# Altium PCB top_INA2180.PcbDoc (part 2 of 5)
Units mil, origin at the board's own origin, x right, y up, seen from the top; angles counter-clockwise.
Board outline 10480 x 5830 mil, 2 copper layers (Top Layer, Bottom Layer); 635 components, 633 nets, 1722 pads, 292 vias.
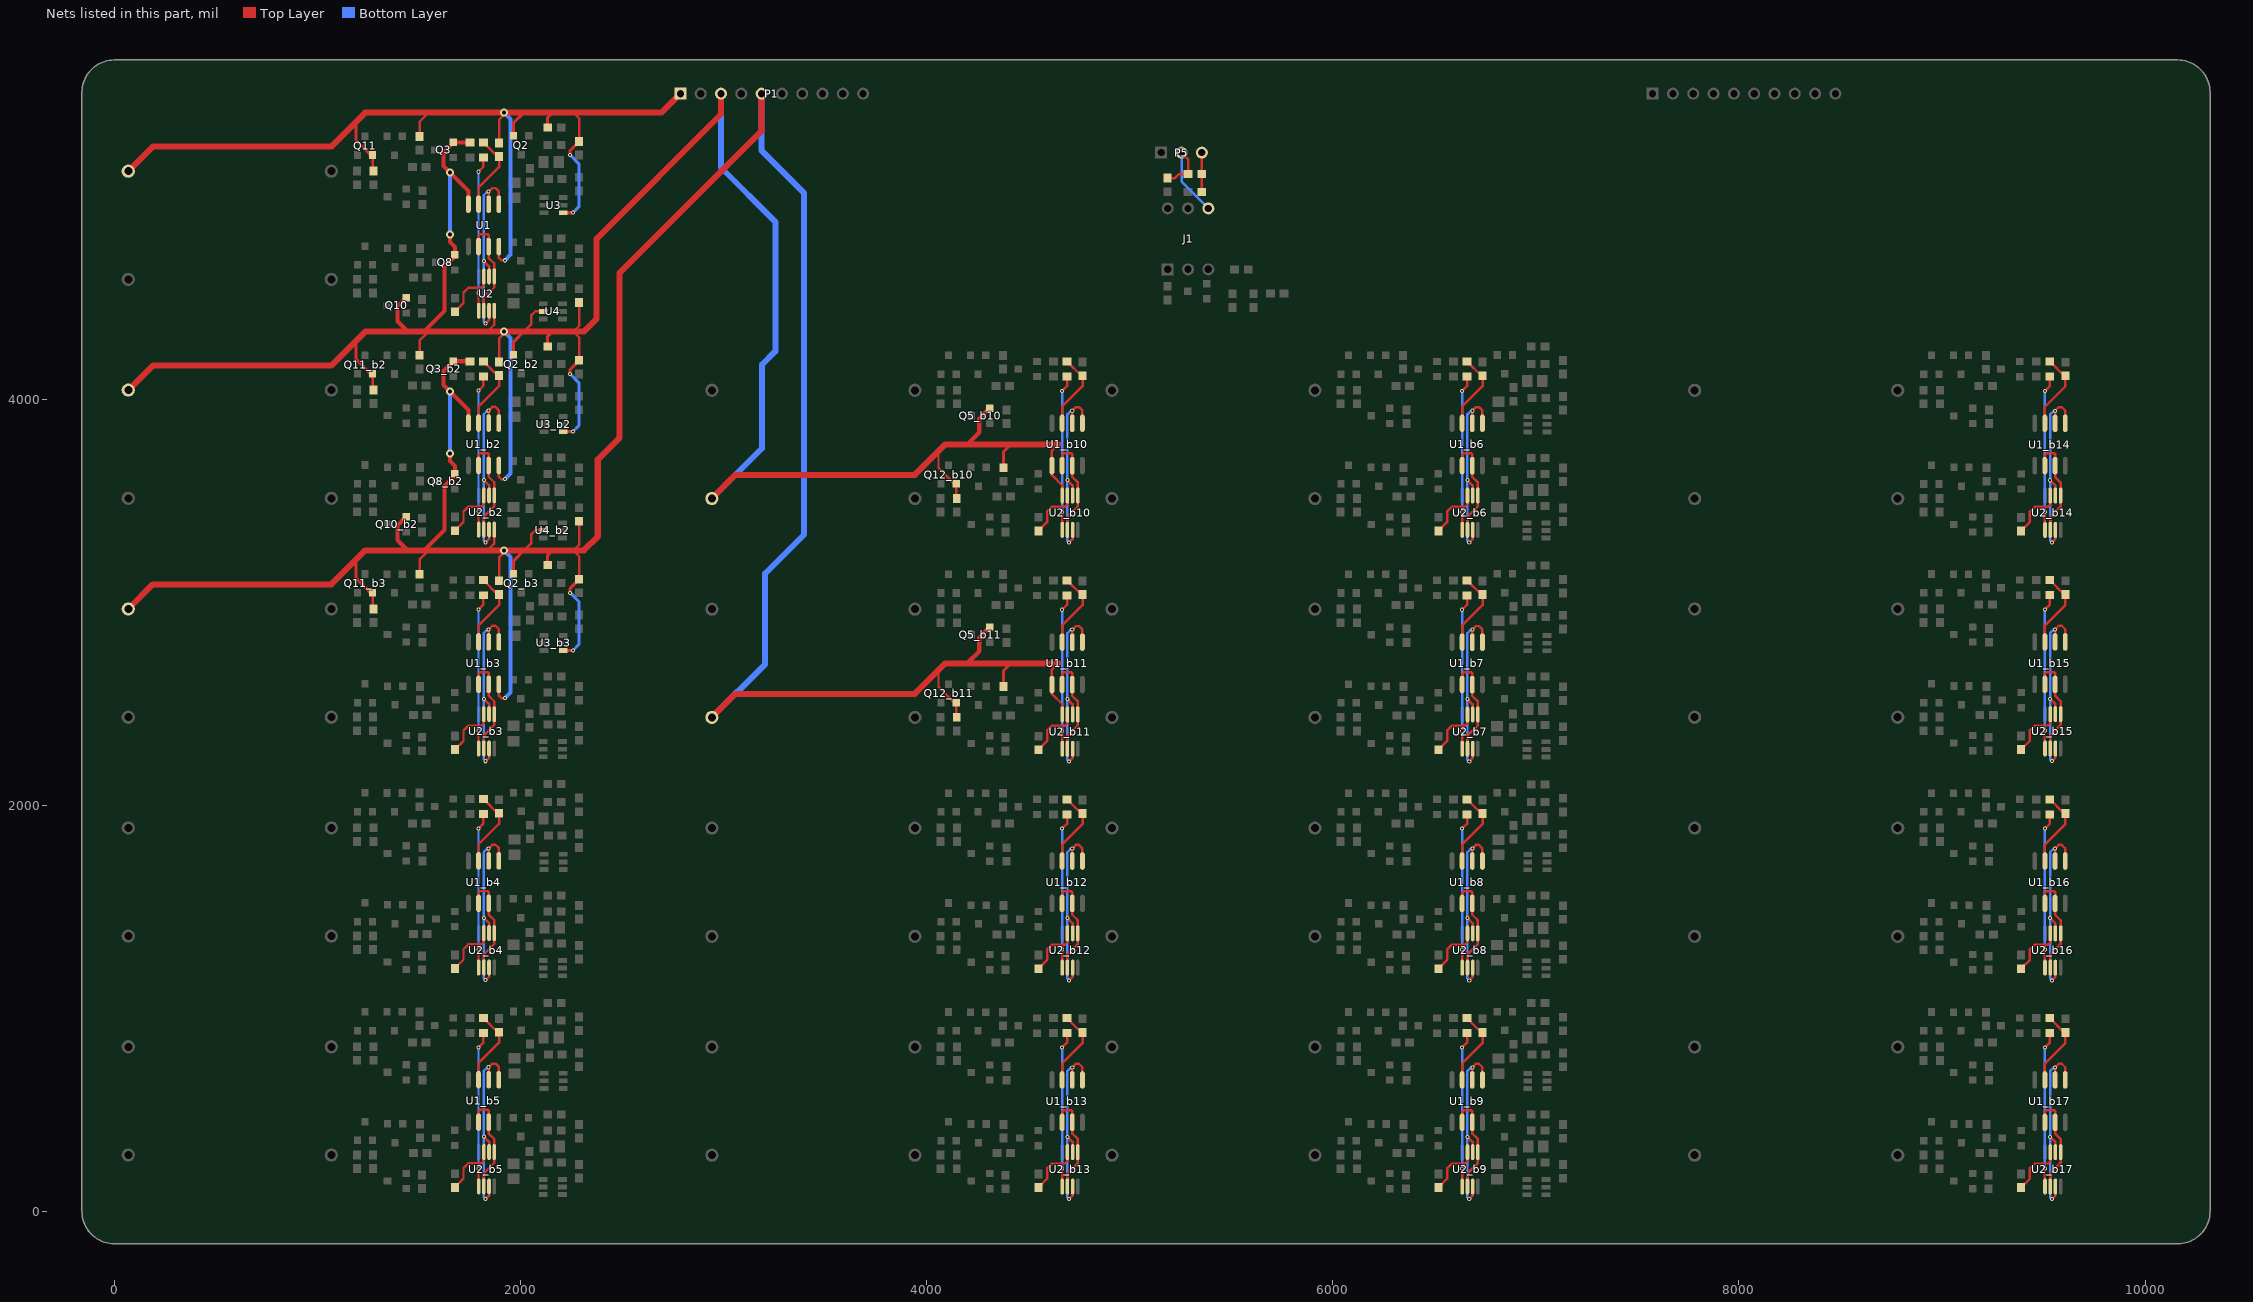
[diagram p2: the nets of this part, all layers, seen from the top]

## Components (designator, comment, footprint, x,y, rotation, side; value= is the part's Value field where it differs from the comment) (continued)
U1_b10 "LM358" SOIC-8 4691.86,3776.61 r270 top (schematic designator U1)
U1_b11 "LM358" SOIC-8 4691.86,2698.61 r270 top (schematic designator U1)
U1_b12 "LM358" SOIC-8 4691.86,1620.61 r270 top (schematic designator U1)
U1_b13 "LM358" SOIC-8 4691.86,542.61 r270 top (schematic designator U1)
U1_b14 "LM358" SOIC-8 9531.86,3776.35 r270 top (schematic designator U1)
U1_b15 "LM358" SOIC-8 9531.86,2699.61 r270 top (schematic designator U1)
U1_b16 "LM358" SOIC-8 9531.86,1620.61 r270 top (schematic designator U1)
U1_b17 "LM358" SOIC-8 9531.86,542.61 r270 top (schematic designator U1)
U2 "INA2180" MSOP-8 1831.86,4519.61 r90 top
U2_b2 "INA2180" MSOP-8 1831.87,3441.54 r90 top (schematic designator U2)
U2_b3 "INA2180" MSOP-8 1831.87,2363.54 r90 top (schematic designator U2)
U2_b4 "INA2180" MSOP-8 1831.87,1285.54 r90 top (schematic designator U2)
U2_b5 "INA2180" MSOP-8 1831.87,207.54 r90 top (schematic designator U2)
U2_b6 "INA2180" MSOP-8 6675.86,3440.61 r90 top (schematic designator U2)
U2_b7 "INA2180" MSOP-8 6675.86,2362.61 r90 top (schematic designator U2)
U2_b8 "INA2180" MSOP-8 6675.86,1284.61 r90 top (schematic designator U2)
U2_b9 "INA2180" MSOP-8 6675.86,206.61 r90 top (schematic designator U2)
U2_b10 "INA2180" MSOP-8 4705.86,3440.61 r90 top (schematic designator U2)
U2_b11 "INA2180" MSOP-8 4705.86,2362.61 r90 top (schematic designator U2)
U2_b12 "INA2180" MSOP-8 4705.86,1284.61 r90 top (schematic designator U2)
U2_b13 "INA2180" MSOP-8 4705.86,206.61 r90 top (schematic designator U2)
U2_b14 "INA2180" MSOP-8 9545.86,3440.35 r90 top (schematic designator U2)
U2_b15 "INA2180" MSOP-8 9545.86,2363.61 r90 top (schematic designator U2)
U2_b16 "INA2180" MSOP-8 9545.86,1284.61 r90 top (schematic designator U2)
U2_b17 "INA2180" MSOP-8 9545.86,206.61 r90 top (schematic designator U2)
U3 "CN958" SOT23-6 2163,4955 r0 top
U3_b2 "CN958" SOT23-6 2163.01,3876.93 r0 top (schematic designator U3)
U3_b3 "CN958" SOT23-6 2163.01,2798.93 r0 top (schematic designator U3)
U3_b4 "CN958" SOT23-6 2163.01,1720.93 r0 top (schematic designator U3)
U3_b5 "CN958" SOT23-6 2163.01,642.93 r0 top (schematic designator U3)
U3_b6 "CN958" SOT23-6 7007,3876 r0 top (schematic designator U3)
U3_b7 "CN958" SOT23-6 7007,2798 r0 top (schematic designator U3)
U3_b8 "CN958" SOT23-6 7007,1720 r0 top (schematic designator U3)
U3_b9 "CN958" SOT23-6 7007,642 r0 top (schematic designator U3)
U4 "CN958" SOT23-6 2159,4432 r0 top
U4_b2 "CN958" SOT23-6 2159.01,3353.93 r0 top (schematic designator U4)
U4_b3 "CN958" SOT23-6 2159.01,2275.93 r0 top (schematic designator U4)
U4_b4 "CN958" SOT23-6 2159.01,1197.93 r0 top (schematic designator U4)
U4_b5 "CN958" SOT23-6 2159.01,119.93 r0 top (schematic designator U4)
U4_b6 "CN958" SOT23-6 7003,3353 r0 top (schematic designator U4)
U4_b7 "CN958" SOT23-6 7003,2275 r0 top (schematic designator U4)
U4_b8 "CN958" SOT23-6 7003,1197 r0 top (schematic designator U4)
U4_b9 "CN958" SOT23-6 7003,119 r0 top (schematic designator U4)

## Footprints (in the part's own frame and the unit in brackets; to place one, negate y for a bottom-side part, rotate by r counter-clockwise, add the part's x,y. Pads: shape width x height; smd on the part's side, far side on the other; paste and mask are expansions set on the pad)
0603-1 [mm] "0603带丝印"
  rect 1.1x1 smd: 1(-0.85,0) 2(0.85,0)
  silkscreen extent -1.65,-0.76 1.65,0.76, body extent -0.8,-0.4 0.8,0.4, height 0.3
AXIAL-1.0 [mm] "Adjustable Magnetic-Core Inductor; 2 Leads"
  round 1.65 hole 1: 1(-12.7,0) 2(12.7,0)
  silkscreen extent -10.79,-3.81 10.79,3.81
C-0603 [mm] "贴片电容"
  rect 1.1x1 smd: 1(-0.85,0) 2(0.85,0)
  silkscreen extent -1.73,-0.76 1.73,0.76, body extent -0.8,-0.4 0.8,0.4, height 0.3
DIP-6 [mm]
  rect 1.5x1.5 hole 0.9: 1(-3.81,2.54)
  round 1.5 hole 0.9: 2(-3.81,0) 3(-3.81,-2.54) 4(3.81,-2.54) 5(3.81,0) 6(3.81,2.54)
  silkscreen extent -3.93,-3.94 2.65,3.96, body extent -3.6,-3.94 3.6,3.88, height 5.08
HDR3X1-2.54 [mm] "2.54单排针排座"
  rect 1.5x1.5 hole 0.9: 1(0,0)
  round 1.5 hole 0.9: 2(2.54,0) 3(5.08,0)
  silkscreen extent -1.27,-1.27 6.35,1.27, body extent -1.27,-1.27 6.35,1.27, height 8.54
HDR10X1-2.54 [mm]
  rect 1.5x1.5 hole 0.9: 1(-12.7,0)
  round 1.5 hole 0.9: 2(-10.16,0) 3(-7.62,0) 4(-5.08,0) 5(-2.54,0) 6(0,0) 7(2.54,0) 8(5.08,0) 9(7.62,0) 10(10.16,0)
  silkscreen extent -13.97,-1.27 11.43,1.27
LED-0805 [mm] "贴片LED"
  rect 1.3x1.5 smd: 1(-0.95,0) 2(0.95,0)
  silkscreen extent 1.91,-0.63 1.91,0.64
MSOP-8 [mm] "TSOP"
  oval 2x0.45 smd: 1(-2.15,0.975) 2(-2.15,0.325) 3(-2.15,-0.325) 4(-2.15,-0.975) 5(2.15,-0.975) 6(2.15,-0.325) 7(2.15,0.325) 8(2.15,0.975)
  silkscreen extent -2.27,-1.55 0.75,1.87, body extent -2.5,-1.5 2.5,1.5, height 0.85
SOIC-8 [mm]
  oval 2.2x0.6 smd: 1(-2.654,1.905) 2(-2.654,0.635) 3(-2.654,-0.635) 4(-2.654,-1.905) 5(2.654,-1.905) 6(2.654,-0.635) 7(2.654,0.635) 8(2.654,1.905)
  silkscreen extent -2.52,-2.5 0.9,2.88, body extent -3,-2.45 3,2.45, height 1.7
SOT23-3 [mm]
  rect 0.9x0.95 smd: 1(-0.95,-1.175) 2(0.95,-1.175) 3(0,1.175)
  silkscreen extent -2.03,-1.14 1.3,1.18, body extent -1.45,-1.4 1.45,1.4, height 1.2
SOT23-6 [mm] "Max4173"
  rect 1.1x0.6 smd: 1(-1.2,0.95) 2(-1.2,0) 3(-1.2,-0.95) 4(1.2,-0.95) 5(1.2,0) 6(1.2,0.95)
  silkscreen extent -1.32,-1.5 0.25,1.92, body extent -1.19,-1.4 1.23,1.4, height 1.08

## Part data
C1: "贴片瓷片电容"
D1 D1_b2 D1_b3 D1_b4 D1_b5 D1_b6 D1_b7 D1_b8 D1_b9 D2 D2_b2 D2_b3 D2_b4 D2_b5 D2_b6 D2_b7 D2_b8 D2_b9 D3 D3_b2 D3_b3 D3_b4 D3_b5 D3_b6 D3_b7 D3_b8 D3_b9 D4 D4_b2 D4_b3 D4_b4 D4_b5 D4_b6 D4_b7 D4_b8 D4_b9: library part Diode-R, "整流二极管"
J1: "光电耦合器"
P1 P2 P5: "接插件"
Q1 Q1_b2 Q1_b3 Q1_b4 Q1_b5 Q1_b6 Q1_b7 Q1_b8 Q1_b9 Q1_b10 Q1_b11 Q1_b12 Q1_b13 Q1_b14 Q1_b15 Q1_b16 Q1_b17 Q2 Q2_b2 Q2_b3 Q2_b4 Q2_b5 Q2_b6 Q2_b7 Q2_b8 Q2_b9 Q6 Q6_b2 Q6_b3 Q6_b4 Q6_b5 Q6_b6 Q6_b7 Q6_b8 Q6_b9 Q6_b10 Q6_b11 Q6_b12 Q6_b13 Q6_b14 Q6_b15 Q6_b16 Q6_b17 Q7 Q7_b2 Q7_b3 Q7_b4 Q7_b5 Q7_b6 Q7_b7 Q7_b8 Q7_b9 Q11 Q11_b2 Q11_b3 Q11_b4 Q11_b5 Q11_b6 Q11_b7 Q11_b8 Q11_b9 Q11_b10 Q11_b11 Q11_b12 Q11_b13 Q11_b14 Q11_b15 Q11_b16 Q11_b17 Q12 Q12_b2 Q12_b3 Q12_b4 Q12_b5 Q12_b6 Q12_b7 Q12_b8 Q12_b9 Q12_b10 Q12_b11 Q12_b12 Q12_b13 Q12_b14 Q12_b15 Q12_b16 Q12_b17: library part PNP1, "贴片三极管"
Q3 Q3_b2 Q3_b3 Q3_b4 Q3_b5 Q3_b6 Q3_b7 Q3_b8 Q3_b9 Q3_b10 Q3_b11 Q3_b12 Q3_b13 Q3_b14 Q3_b15 Q3_b16 Q3_b17 Q8 Q8_b2 Q8_b3 Q8_b4 Q8_b5 Q8_b6 Q8_b7 Q8_b8 Q8_b9 Q8_b10 Q8_b11 Q8_b12 Q8_b13 Q8_b14 Q8_b15 Q8_b16 Q8_b17 Q13: library part NPN1, "贴片三极管"
Q5 Q5_b2 Q5_b3 Q5_b4 Q5_b5 Q5_b6 Q5_b7 Q5_b8 Q5_b9 Q5_b10 Q5_b11 Q5_b12 Q5_b13 Q5_b14 Q5_b15 Q5_b16 Q5_b17 Q10 Q10_b2 Q10_b3 Q10_b4 Q10_b5 Q10_b6 Q10_b7 Q10_b8 Q10_b9 Q10_b10 Q10_b11 Q10_b12 Q10_b13 Q10_b14 Q10_b15 Q10_b16 Q10_b17: library part MOSFET-N1, "MOSFET"
R1 R1_b2 R1_b3 R1_b4 R1_b5 R1_b6 R1_b7 R1_b8 R1_b9 R1_b10 R1_b11 R1_b12 R1_b13 R1_b14 R1_b15 R1_b16 R1_b17 R6 R6_b2 R6_b3 R6_b4 R6_b5 R6_b6 R6_b7 R6_b8 R6_b9 R6_b10 R6_b11 R6_b12 R6_b13 R6_b14 R6_b15 R6_b16 R6_b17 R7 R7_b2 R7_b3 R7_b4 R7_b5 R7_b6 R7_b7 R7_b8 R7_b9 R8 R8_b2 R8_b3 R8_b4 R8_b5 R8_b6 R8_b7 R8_b8 R8_b9 R9 R9_b2 R9_b3 R9_b4 R9_b5 R9_b6 R9_b7 R9_b8 R9_b9 R9_b10 R9_b11 R9_b12 R9_b13 R9_b14 R9_b15 R9_b16 R9_b17 R10 R10_b2 R10_b3 R10_b4 R10_b5 R10_b6 R10_b7 R10_b8 R10_b9 R10_b10 R10_b11 R10_b12 R10_b13 R10_b14 R10_b15 R10_b16 R10_b17 R11 R11_b2 R11_b3 R11_b4 R11_b5 R11_b6 R11_b7 R11_b8 R11_b9 R11_b10 R11_b11 R11_b12 R11_b13 R11_b14 R11_b15 R11_b16 R11_b17 R12 R12_b2 R12_b3 R12_b4 R12_b5 R12_b6 R12_b7 R12_b8 R12_b9 R12_b10 R12_b11 R12_b12 R12_b13 R12_b14 R12_b15 R12_b16 R12_b17 R13 R13_b2 R13_b3 R13_b4 R13_b5 R13_b6 R13_b7 R13_b8 R13_b9 R14 R14_b2 R14_b3 R14_b4 R14_b5 R14_b6 R14_b7 R14_b8 R14_b9 R14_b10 R14_b11 R14_b12 R14_b13 R14_b14 R14_b15 R14_b16 R14_b17 R19 R19_b2 R19_b3 R19_b4 R19_b5 R19_b6 R19_b7 R19_b8 R19_b9 R19_b10 R19_b11 R19_b12 R19_b13 R19_b14 R19_b15 R19_b16 R19_b17 R20 R20_b2 R20_b3 R20_b4 R20_b5 R20_b6 R20_b7 R20_b8 R20_b9 R21 R21_b2 R21_b3 R21_b4 R21_b5 R21_b6 R21_b7 R21_b8 R21_b9 R22 R22_b2 R22_b3 R22_b4 R22_b5 R22_b6 R22_b7 R22_b8 R22_b9 R22_b10 R22_b11 R22_b12 R22_b13 R22_b14 R22_b15 R22_b16 R22_b17 R23 R23_b2 R23_b3 R23_b4 R23_b5 R23_b6 R23_b7 R23_b8 R23_b9 R23_b10 R23_b11 R23_b12 R23_b13 R23_b14 R23_b15 R23_b16 R23_b17 R24 R24_b2 R24_b3 R24_b4 R24_b5 R24_b6 R24_b7 R24_b8 R24_b9 R25 R26 R27 R28 R29 R30 R31 R32 R32_b2 R32_b3 R32_b4 R32_b5 R32_b6 R32_b7 R32_b8 R32_b9 R33 R33_b2 R33_b3 R33_b4 R33_b5 R33_b6 R33_b7 R33_b8 R33_b9 R35 R35_b2 R35_b3 R35_b4 R35_b5 R35_b6 R35_b7 R35_b8 R35_b9 R35_b10 R35_b11 R35_b12 R35_b13 R35_b14 R35_b15 R35_b16 R35_b17 R37 R37_b2 R37_b3 R37_b4 R37_b5 R37_b6 R37_b7 R37_b8 R37_b9 R37_b10 R37_b11 R37_b12 R37_b13 R37_b14 R37_b15 R37_b16 R37_b17 R39 R39_b2 R39_b3 R39_b4 R39_b5 R39_b6 R39_b7 R39_b8 R39_b9 R39_b10 R39_b11 R39_b12 R39_b13 R39_b14 R39_b15 R39_b16 R39_b17 R40 R40_b2 R40_b3 R40_b4 R40_b5 R40_b6 R40_b7 R40_b8 R40_b9 R40_b10 R40_b11 R40_b12 R40_b13 R40_b14 R40_b15 R40_b16 R40_b17 R41 R41_b2 R41_b3 R41_b4 R41_b5 R41_b6 R41_b7 R41_b8 R41_b9 R41_b10 R41_b11 R41_b12 R41_b13 R41_b14 R41_b15 R41_b16 R41_b17 R42 R42_b2 R42_b3 R42_b4 R42_b5 R42_b6 R42_b7 R42_b8 R42_b9 R42_b10 R42_b11 R42_b12 R42_b13 R42_b14 R42_b15 R42_b16 R42_b17 R51 R51_b2 R51_b3 R51_b4 R51_b5 R51_b6 R51_b7 R51_b8 R51_b9 R52 R52_b2 R52_b3 R52_b4 R52_b5 R52_b6 R52_b7 R52_b8 R52_b9 R53 R53_b2 R53_b3 R53_b4 R53_b5 R53_b6 R53_b7 R53_b8 R53_b9 R54 R54_b2 R54_b3 R54_b4 R54_b5 R54_b6 R54_b7 R54_b8 R54_b9: "贴片电阻"
U1 U1_b2 U1_b3 U1_b4 U1_b5 U1_b6 U1_b7 U1_b8 U1_b9 U1_b10 U1_b11 U1_b12 U1_b13 U1_b14 U1_b15 U1_b16 U1_b17: "双运放"
U2 U2_b2 U2_b3 U2_b4 U2_b5 U2_b6 U2_b7 U2_b8 U2_b9 U2_b10 U2_b11 U2_b12 U2_b13 U2_b14 U2_b15 U2_b16 U2_b17: library part LM358, "双运放"
U3 U3_b2 U3_b3 U3_b4 U3_b5 U3_b6 U3_b7 U3_b8 U3_b9 U4 U4_b2 U4_b3 U4_b4 U4_b5 U4_b6 U4_b7 U4_b8 U4_b9: "单运放带基准电压源"

## Via types
v1: diameter 20, hole 10, Top Layer to Bottom Layer, 235 vias
v2: diameter 40, hole 20, Top Layer to Bottom Layer, 53 vias
v3: diameter 125.98, hole 125.98, Top Layer to Bottom Layer, 4 vias

## Nets (pads, with @x,y where several pads share a name; then routed paths per layer and width w, separated by ;. In a path a pad name is that pad's centre, name@x,y a point inside that pad or via, vN(x,y) a via of type N, cw(c..) or ccw(c..) an arc to the next point about the centre after c; other vN are vias at no path point)
ALARM: C1.1 P5.3 R27.2 | length 193.5
  Top Layer w12: R27.2@5354.46,5020 C1.1@5354.46,5108 P5.3@5354.46,5213.46
C-: C1.2 J1.4 P5.2 R26.2 | length 557.8
  Top Layer w12: R26.2@5187,5088.46 5222.46,5088.46 5242,5108 C1.2@5287.54,5108 5287.54,5181.46 P5.2@5255,5214
  Bottom Layer w12: P5.2@5255,5214 5255,5071 J1.4@5387,4939
G1_VC1_BUF: U1.1 U1.2 U2.3 U2.6 | length 1011.1
  Top Layer w12: v1(1818.86,4679.61) 1844.65,4653.81 U2.6@1844.65,4604.26 ; v1(1827.86,4372.61) 1844.65,4389.4 U2.3@1844.65,4434.96 U2.3@1845.39,4435.7 ; U1.2@1842.86,4960.1 v1(1842.86,5021.61) 1860.86,5039.61 1875.86,5039.61 1892.86,5022.61 U1.1@1892.86,4960.1
  Bottom Layer w12: v1(1827.86,4372.61) 1818.86,4381.61 v1(1818.86,4679.61) 1818.86,5003.61 1836.86,5021.61 v1(1842.86,5021.61)
G1_VC1_BUF_b2: U1_b2.1 U1_b2.2 U2_b2.3 U2_b2.6 | length 1011.1
  Top Layer w12: v1(1818.87,3601.54) 1844.66,3575.74 U2_b2.6@1844.66,3526.18 ; v1(1827.87,3294.54) 1844.66,3311.33 U2_b2.3@1844.66,3356.89 U2_b2.3@1845.39,3357.62 ; U1_b2.2@1842.87,3882.02 v1(1842.87,3943.54) 1860.87,3961.54 1875.87,3961.54 1892.87,3944.54 U1_b2.1@1892.87,3882.02
  Bottom Layer w12: v1(1827.87,3294.54) 1818.87,3303.54 v1(1818.87,3601.54) 1818.87,3925.54 1836.87,3943.54 v1(1842.87,3943.54)
G1_VC1_BUF_b3: U1_b3.1 U1_b3.2 U2_b3.3 U2_b3.6 | length 1011.1
  Top Layer w12: v1(1818.87,2523.54) 1844.66,2497.74 U2_b3.6@1844.66,2448.18 ; v1(1827.87,2216.54) 1844.66,2233.33 U2_b3.3@1844.66,2278.89 U2_b3.3@1845.39,2279.62 ; U1_b3.2@1842.87,2804.02 v1(1842.87,2865.54) 1860.87,2883.54 1875.87,2883.54 1892.87,2866.54 U1_b3.1@1892.87,2804.02
  Bottom Layer w12: v1(1827.87,2216.54) 1818.87,2225.54 v1(1818.87,2523.54) 1818.87,2847.54 1836.87,2865.54 v1(1842.87,2865.54)
G1_VC1_BUF_b4: U1_b4.1 U1_b4.2 U2_b4.3 U2_b4.6 | length 1011.1
  Top Layer w12: v1(1818.87,1445.54) 1844.66,1419.74 U2_b4.6@1844.66,1370.18 ; v1(1827.87,1138.54) 1844.66,1155.33 U2_b4.3@1844.66,1200.89 U2_b4.3@1845.39,1201.62 ; U1_b4.2@1842.87,1726.02 v1(1842.87,1787.54) 1860.87,1805.54 1875.87,1805.54 1892.87,1788.54 U1_b4.1@1892.87,1726.02
  Bottom Layer w12: v1(1827.87,1138.54) 1818.87,1147.54 v1(1818.87,1445.54) 1818.87,1769.54 1836.87,1787.54 v1(1842.87,1787.54)
G1_VC1_BUF_b5: U1_b5.1 U1_b5.2 U2_b5.3 U2_b5.6 | length 1011.1
  Top Layer w12: v1(1818.87,367.54) 1844.66,341.74 U2_b5.6@1844.66,292.18 ; v1(1827.87,60.54) 1844.66,77.33 U2_b5.3@1844.66,122.89 U2_b5.3@1845.39,123.62 ; U1_b5.2@1842.87,648.02 v1(1842.87,709.54) 1860.87,727.54 1875.87,727.54 1892.87,710.54 U1_b5.1@1892.87,648.02
  Bottom Layer w12: v1(1827.87,60.54) 1818.87,69.54 v1(1818.87,367.54) 1818.87,691.54 1836.87,709.54 v1(1842.87,709.54)
G1_VC1_BUF_b6: U1_b6.1 U1_b6.2 U2_b6.3 U2_b6.6 | length 1011.1
  Top Layer w12: v1(6662.86,3600.61) 6688.65,3574.81 U2_b6.6@6688.65,3525.26 ; v1(6671.86,3293.61) 6688.65,3310.4 U2_b6.3@6688.65,3355.96 U2_b6.3@6689.39,3356.7 ; U1_b6.2@6686.86,3881.1 v1(6686.86,3942.61) 6704.86,3960.61 6719.86,3960.61 6736.86,3943.61 U1_b6.1@6736.86,3881.1
  Bottom Layer w12: v1(6671.86,3293.61) 6662.86,3302.61 v1(6662.86,3600.61) 6662.86,3924.61 6680.86,3942.61 v1(6686.86,3942.61)
G1_VC1_BUF_b7: U1_b7.1 U1_b7.2 U2_b7.3 U2_b7.6 | length 1011.1
  Top Layer w12: v1(6662.86,2522.61) 6688.65,2496.81 U2_b7.6@6688.65,2447.26 ; v1(6671.86,2215.61) 6688.65,2232.4 U2_b7.3@6688.65,2277.96 U2_b7.3@6689.39,2278.7 ; U1_b7.2@6686.86,2803.1 v1(6686.86,2864.61) 6704.86,2882.61 6719.86,2882.61 6736.86,2865.61 U1_b7.1@6736.86,2803.1
  Bottom Layer w12: v1(6671.86,2215.61) 6662.86,2224.61 v1(6662.86,2522.61) 6662.86,2846.61 6680.86,2864.61 v1(6686.86,2864.61)
G1_VC1_BUF_b8: U1_b8.1 U1_b8.2 U2_b8.3 U2_b8.6 | length 1011.1
  Top Layer w12: v1(6662.86,1444.61) 6688.65,1418.81 U2_b8.6@6688.65,1369.26 ; v1(6671.86,1137.61) 6688.65,1154.4 U2_b8.3@6688.65,1199.96 U2_b8.3@6689.39,1200.7 ; U1_b8.2@6686.86,1725.1 v1(6686.86,1786.61) 6704.86,1804.61 6719.86,1804.61 6736.86,1787.61 U1_b8.1@6736.86,1725.1
  Bottom Layer w12: v1(6671.86,1137.61) 6662.86,1146.61 v1(6662.86,1444.61) 6662.86,1768.61 6680.86,1786.61 v1(6686.86,1786.61)
G1_VC1_BUF_b9: U1_b9.1 U1_b9.2 U2_b9.3 U2_b9.6 | length 1011.1
  Top Layer w12: v1(6662.86,366.61) 6688.65,340.81 U2_b9.6@6688.65,291.26 ; v1(6671.86,59.61) 6688.65,76.4 U2_b9.3@6688.65,121.96 U2_b9.3@6689.39,122.7 ; U1_b9.2@6686.86,647.1 v1(6686.86,708.61) 6704.86,726.61 6719.86,726.61 6736.86,709.61 U1_b9.1@6736.86,647.1
  Bottom Layer w12: v1(6671.86,59.61) 6662.86,68.61 v1(6662.86,366.61) 6662.86,690.61 6680.86,708.61 v1(6686.86,708.61)
G1_VC1_BUF_b10: U1_b10.1 U1_b10.2 U2_b10.3 U2_b10.6 | length 1011.1
  Top Layer w12: v1(4692.86,3600.61) 4718.65,3574.81 U2_b10.6@4718.65,3525.26 ; v1(4701.86,3293.61) 4718.65,3310.4 U2_b10.3@4718.65,3355.96 U2_b10.3@4719.39,3356.7 ; U1_b10.2@4716.86,3881.1 v1(4716.86,3942.61) 4734.86,3960.61 4749.86,3960.61 4766.86,3943.61 U1_b10.1@4766.86,3881.1
  Bottom Layer w12: v1(4701.86,3293.61) 4692.86,3302.61 v1(4692.86,3600.61) 4692.86,3924.61 4710.86,3942.61 v1(4716.86,3942.61)
G1_VC1_BUF_b11: U1_b11.1 U1_b11.2 U2_b11.3 U2_b11.6 | length 1011.1
  Top Layer w12: v1(4692.86,2522.61) 4718.65,2496.81 U2_b11.6@4718.65,2447.26 ; v1(4701.86,2215.61) 4718.65,2232.4 U2_b11.3@4718.65,2277.96 U2_b11.3@4719.39,2278.7 ; U1_b11.2@4716.86,2803.1 v1(4716.86,2864.61) 4734.86,2882.61 4749.86,2882.61 4766.86,2865.61 U1_b11.1@4766.86,2803.1
  Bottom Layer w12: v1(4701.86,2215.61) 4692.86,2224.61 v1(4692.86,2522.61) 4692.86,2846.61 4710.86,2864.61 v1(4716.86,2864.61)
G1_VC1_BUF_b12: U1_b12.1 U1_b12.2 U2_b12.3 U2_b12.6 | length 1011.1
  Top Layer w12: v1(4692.86,1444.61) 4718.65,1418.81 U2_b12.6@4718.65,1369.26 ; v1(4701.86,1137.61) 4718.65,1154.4 U2_b12.3@4718.65,1199.96 U2_b12.3@4719.39,1200.7 ; U1_b12.2@4716.86,1725.1 v1(4716.86,1786.61) 4734.86,1804.61 4749.86,1804.61 4766.86,1787.61 U1_b12.1@4766.86,1725.1
  Bottom Layer w12: v1(4701.86,1137.61) 4692.86,1146.61 v1(4692.86,1444.61) 4692.86,1768.61 4710.86,1786.61 v1(4716.86,1786.61)
G1_VC1_BUF_b13: U1_b13.1 U1_b13.2 U2_b13.3 U2_b13.6 | length 1011.1
  Top Layer w12: v1(4692.86,366.61) 4718.65,340.81 U2_b13.6@4718.65,291.26 ; v1(4701.86,59.61) 4718.65,76.4 U2_b13.3@4718.65,121.96 U2_b13.3@4719.39,122.7 ; U1_b13.2@4716.86,647.1 v1(4716.86,708.61) 4734.86,726.61 4749.86,726.61 4766.86,709.61 U1_b13.1@4766.86,647.1
  Bottom Layer w12: v1(4701.86,59.61) 4692.86,68.61 v1(4692.86,366.61) 4692.86,690.61 4710.86,708.61 v1(4716.86,708.61)
G1_VC1_BUF_b14: U1_b14.1 U1_b14.2 U2_b14.3 U2_b14.6 | length 1011.1
  Top Layer w12: v1(9532.86,3600.35) 9558.65,3574.55 U2_b14.6@9558.65,3525 ; v1(9541.86,3293.35) 9558.65,3310.14 U2_b14.3@9558.65,3355.7 U2_b14.3@9559.39,3356.44 ; U1_b14.2@9556.86,3880.84 v1(9556.86,3942.35) 9574.86,3960.35 9589.86,3960.35 9606.86,3943.35 U1_b14.1@9606.86,3880.84
  Bottom Layer w12: v1(9541.86,3293.35) 9532.86,3302.35 v1(9532.86,3600.35) 9532.86,3924.35 9550.86,3942.35 v1(9556.86,3942.35)
G1_VC1_BUF_b15: U1_b15.1 U1_b15.2 U2_b15.3 U2_b15.6 | length 1011.1
  Top Layer w12: v1(9532.86,2523.61) 9558.65,2497.81 U2_b15.6@9558.65,2448.26 ; v1(9541.86,2216.61) 9558.65,2233.4 U2_b15.3@9558.65,2278.96 U2_b15.3@9559.39,2279.7 ; U1_b15.2@9556.86,2804.1 v1(9556.86,2865.61) 9574.86,2883.61 9589.86,2883.61 9606.86,2866.61 U1_b15.1@9606.86,2804.1
  Bottom Layer w12: v1(9541.86,2216.61) 9532.86,2225.61 v1(9532.86,2523.61) 9532.86,2847.61 9550.86,2865.61 v1(9556.86,2865.61)
G1_VC1_BUF_b16: U1_b16.1 U1_b16.2 U2_b16.3 U2_b16.6 | length 1011.1
  Top Layer w12: v1(9532.86,1444.61) 9558.65,1418.81 U2_b16.6@9558.65,1369.26 ; v1(9541.86,1137.61) 9558.65,1154.4 U2_b16.3@9558.65,1199.96 U2_b16.3@9559.39,1200.7 ; U1_b16.2@9556.86,1725.1 v1(9556.86,1786.61) 9574.86,1804.61 9589.86,1804.61 9606.86,1787.61 U1_b16.1@9606.86,1725.1